# Altium PCB RevA2.PcbDoc (part 4 of 6)
Units mm, origin at the board's own origin, x right, y up, seen from the top; angles counter-clockwise.
Board outline 173 x 171 mm, 2 copper layers (Top Layer, Top, Bottom Layer, Bottom); 316 components, 437 nets, 1976 pads, 936 vias.
Unrouted connection lines stored in the file: 219.
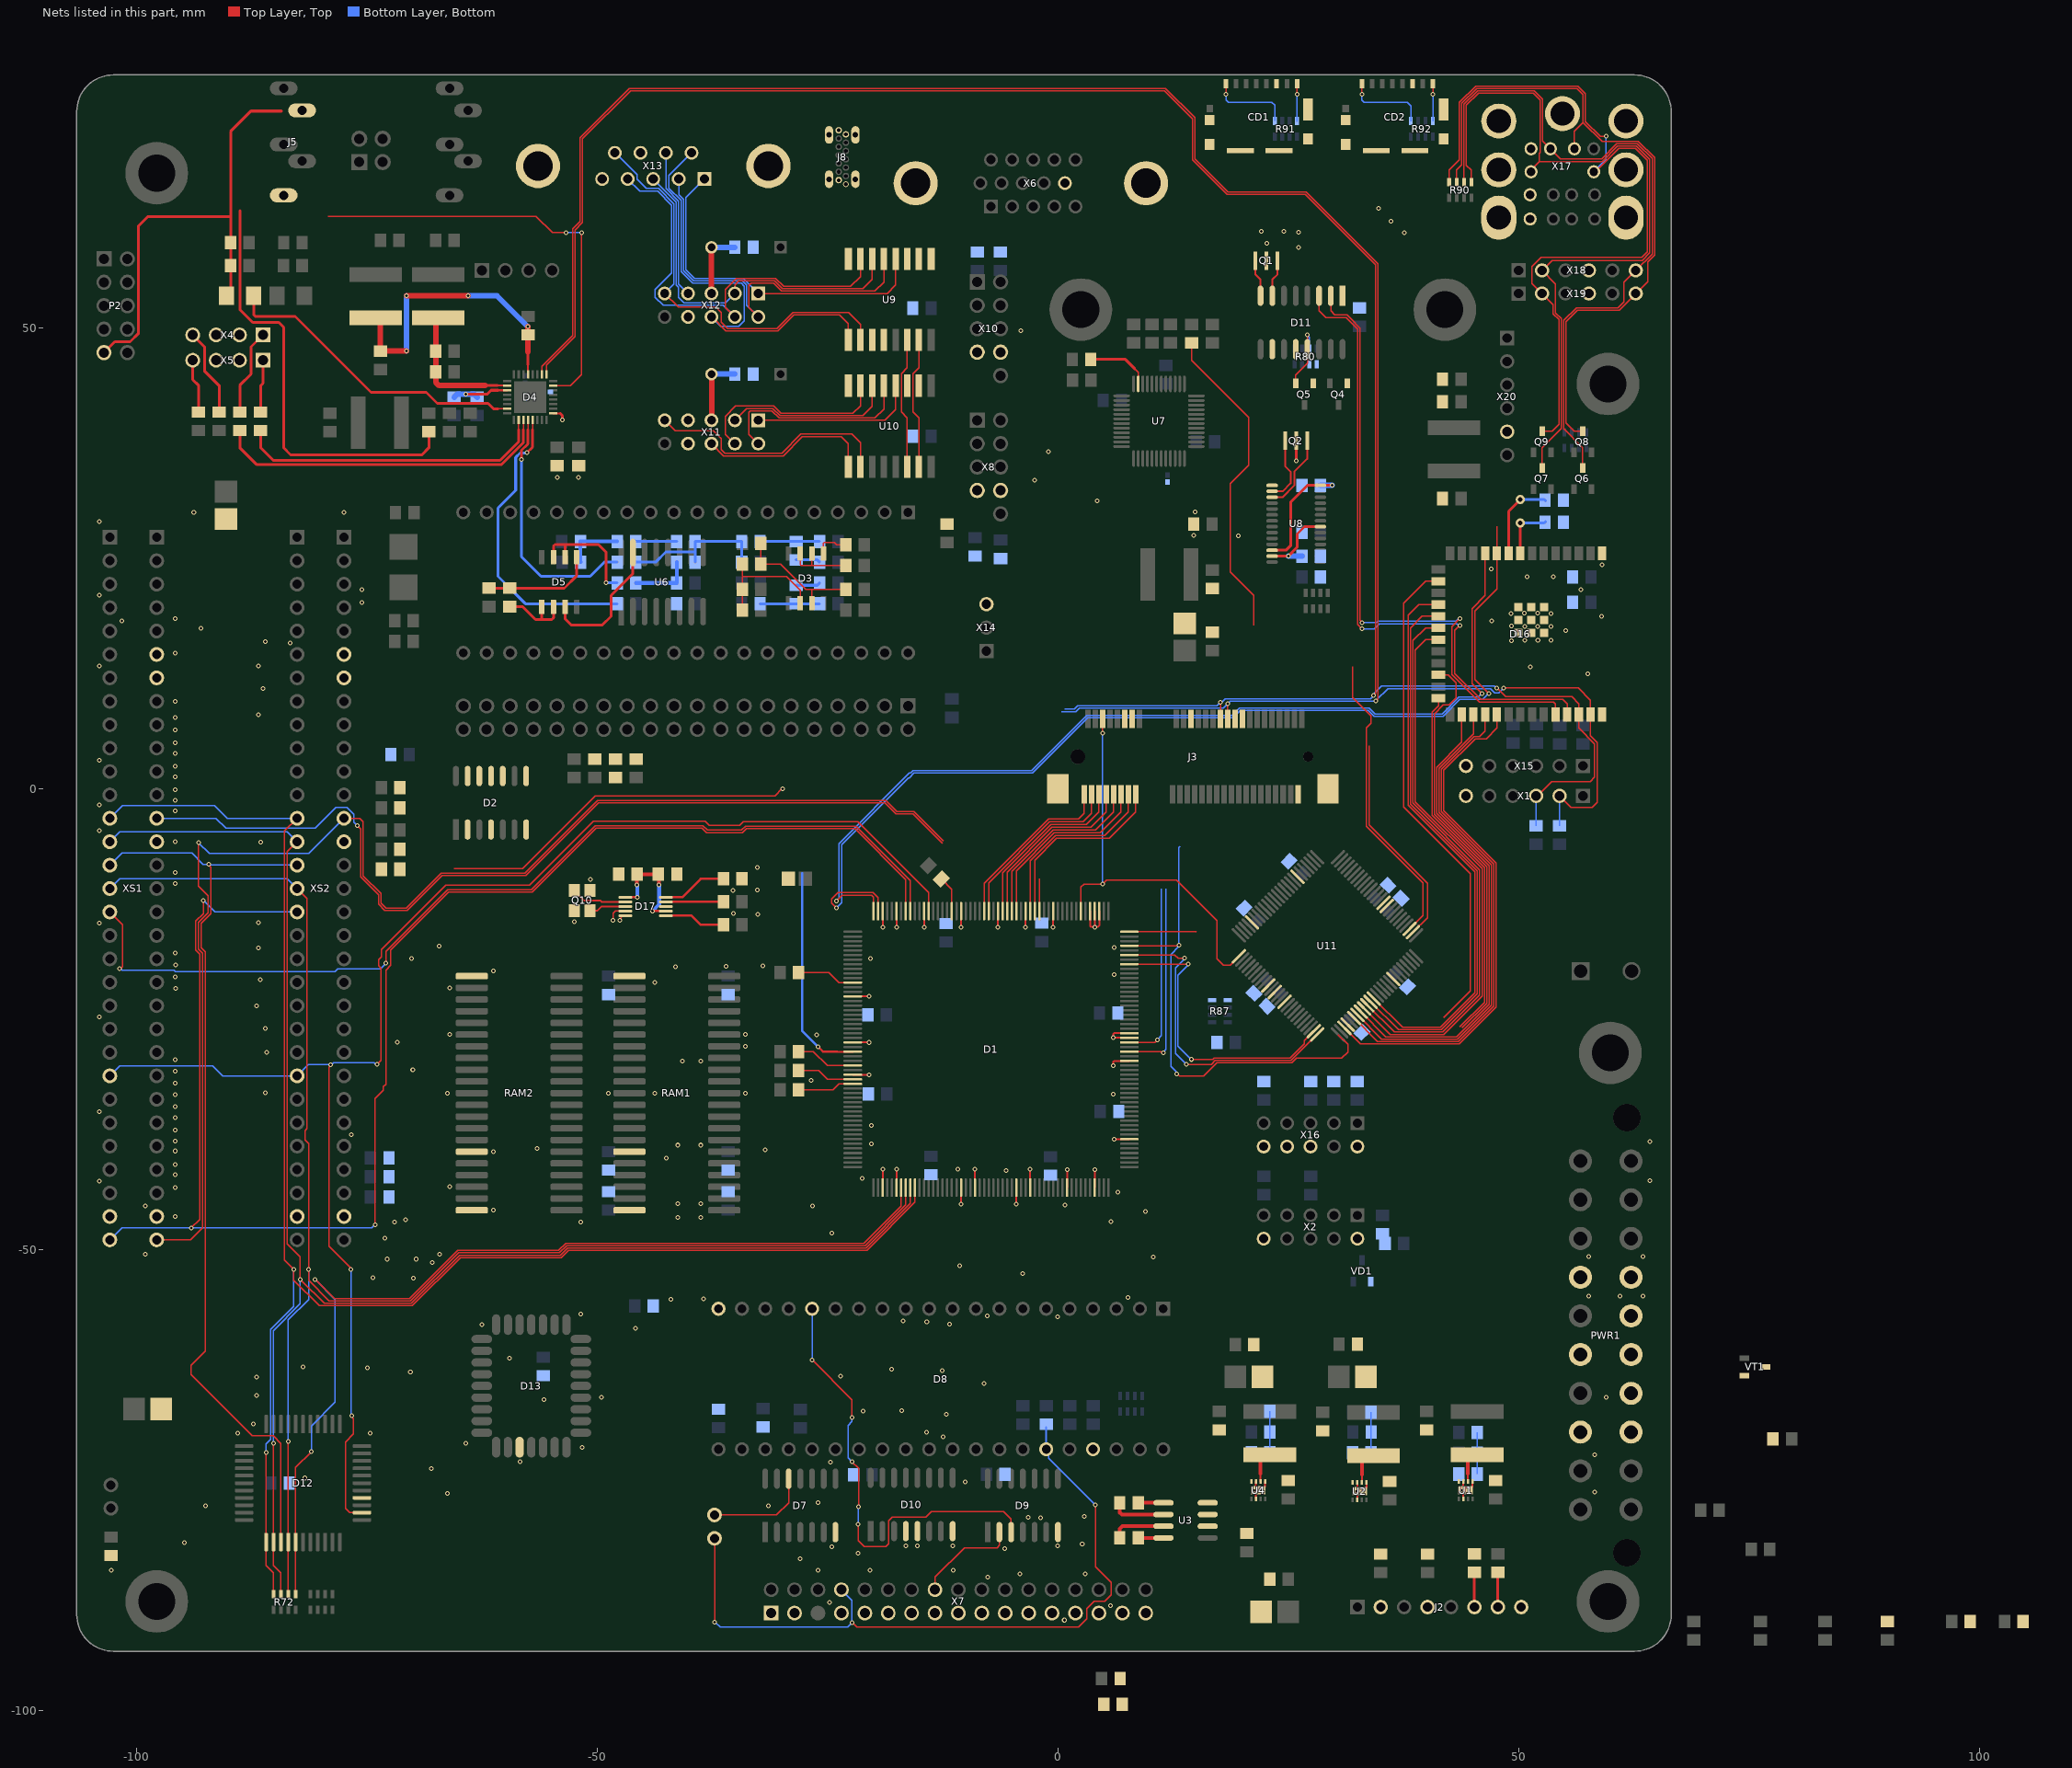
[diagram p4: the nets of this part, all layers, seen from the top]

## Via types
v1: diameter 0.5, hole 0.3, Top Layer, Top to Bottom Layer, Bottom, tented both sides, 925 vias
v2: diameter 0.5, hole 0.2, Top Layer, Top to Bottom Layer, Bottom, 6 vias
v3: diameter 1, hole 0.5, Top Layer, Top to Bottom Layer, Bottom, tented both sides, 4 vias
v4: diameter 1, hole 0.5, Top Layer, Top to Bottom Layer, Bottom, 1 vias

## Nets (pads, with @x,y where several pads share a name; then routed paths per layer and width w, separated by ;. In a path a pad name is that pad's centre, name@x,y a point inside that pad or via, vN(x,y) a via of type N, cw(c..) or ccw(c..) an arc to the next point about the centre after c; other vN are vias at no path point) (continued)
DATA0_1: D1.156 D16.11 | length 105.5
  Top Layer, Top w0.127: v1(-24.028,-12.162) -23.416,-11.55 -20.182,-11.55 -20,-11.732 D1.156@-20,-13.25 ; v1(46.005,10.359) 44.933,11.431 44.933,19.556 46.372,20.995 D16.11@46.372,25.575
  Bottom Layer, Bottom w0.127: v1(-24.028,-12.162) -24.028,-12.126 -23.751,-11.849 -23.751,-5.925 -16.11,1.716 -15.98,1.716 -15.726,1.97 -2.856,1.97 3.136,7.963 18.896,7.963 19.698,8.765 33.802,8.765 34.43,8.137 41.695,8.137 43.512,9.954 45.6,9.954 v1(46.005,10.359)
DCD_TTL: D11.12
DCLK_1: D1.155 D16.10 R87.4 | length 112.6
  Top Layer, Top w0.127: v1(-24.035,-12.912) -24.035,-12.897 -24.553,-12.38 -24.553,-11.945 -23.858,-11.25 -20.058,-11.25 -19.5,-11.808 D1.155@-19.5,-13.25 ; v1(46.755,10.359) 46.747,10.359 45.233,11.874 45.233,19.285 47.642,21.694 47.642,28.503
  Bottom Layer, Bottom w0.127: v1(-24.035,-12.912) -23.451,-12.328 -23.451,-6.049 -16.193,1.208 -16.128,1.208 -15.62,1.716 -2.751,1.716 3.242,7.709 19.001,7.709 19.804,8.511 33.697,8.511 34.325,7.883 41.8,7.883 43.617,9.7 46.096,9.7 v1(46.755,10.359)
DIR_6: D8.16 D9.3 | length 49.1
  Top Layer, Top w0.127: v1(-26.665,-61.945) -22.343,-66.267 v1(-22.343,-68.181) ; v1(-22.331,-72.984) -21.619,-73.696 v1(-21.619,-77.885) ; v1(-21.66,-79.78) -21.66,-81.526 -21.02,-82.166 -18.652,-82.166 -18.37,-81.884 -18.37,-79.406 -17.947,-78.983 -14.337,-78.983 -13.734,-78.38 -5.87,-78.38 -5.07,-79.18 D9.3@-5.07,-80.52
  Bottom Layer, Bottom w0.127: v1(-26.665,-61.945) -26.663,-61.943 -26.663,-56.393 D8.16@-26.66,-56.39 ; v1(-22.343,-68.181) -22.343,-68.623 -22.76,-69.04 -22.76,-72.554 v1(-22.331,-72.984) ; v1(-21.66,-79.78) -21.64,-79.76 -21.64,-77.906 v1(-21.619,-77.885)
DSR_TTL: D11.10
DTR: D11.13 Q5.2 R80.3 | length 7.4
  Top Layer, Top w0.127: Q5.2@25.81,43.975 25.81,44.903 27.08,46.173 D11.13@27.08,47.7 v1(27.08,49.25)
  Bottom Layer, Bottom w0.127: v1(27.08,49.25) 27.08,49.209 27.3,48.989 R80.3@27.3,47.75
E\X\T\_\I\N\T\_1: D1.104 J3.34 R99.2 | length 7.3
  Top Layer, Top w0.127: D1.104@7.75,-15.5 14.97,-15.5 15,-15.53
E\X\T\_\V\I\D\E\O\_1: D1.101 J3.22 R98.2 U11.62 | length 52.9
  Top Layer, Top w0.127: D1.101@7.75,-17 13.099,-17 v1(13.138,-16.961) ; v1(12.894,-30.937) 12.989,-30.937 13.206,-31.154 15.807,-31.154 17.257,-29.704 25.419,-29.704 25.904,-29.218 30.805,-29.218 31.468,-28.555 31.468,-27.705 30.394,-26.632
  Bottom Layer, Bottom w0.127: v1(12.894,-30.937) 12.808,-30.851 12.808,-30.641 12.253,-30.086 12.253,-17.968 13.138,-17.083 13.138,-6.362 13.25,-6.25
ESP32_MASTER.MISO_1: D16.28 R85.2 U11.83 | length 51.4
  Top Layer, Top w0.127: U11.83@32.869,-24.157 35.598,-26.885 43.261,-26.885 46.794,-23.352 46.794,-8.345 41.106,-2.658 41.106,2.352 43.832,5.078 D16.28@43.832,8.075
ESP32_MASTER.MOSI_1: D16.30 R88.2 U11.81 | length 54.1
  Top Layer, Top w0.127: U11.81@32.162,-24.864 34.691,-27.393 43.471,-27.393 47.302,-23.562 47.302,-8.135 41.614,-2.447 41.614,2.142 45.175,5.703 45.776,5.703 46.372,6.299 D16.30@46.372,8.075
ESP32_MASTER.S\S\E\L\_1: D16.31 R86.2 U11.78 | length 56
  Top Layer, Top w0.127: U11.78@31.102,-25.925 32.824,-27.647 43.577,-27.647 47.556,-23.667 47.556,-8.03 41.868,-2.342 41.868,2.036 45.281,5.449 46.486,5.449 47.642,6.605 D16.31@47.642,8.075
ESP32_MASTER.SCLK_1: D16.29 R84.2 U11.82 | length 52.6
  Top Layer, Top w0.127: U11.82@32.516,-24.51 35.145,-27.139 43.366,-27.139 47.048,-23.457 47.048,-8.24 41.36,-2.552 41.36,2.247 45.102,5.988 D16.29@45.102,8.075
ESP32_RXD: D11.2 D16.36 | length 68.6
  Top Layer, Top w0.127: D11.2@29.62,53.5 29.62,51.88 30.063,51.437 31.396,51.437 32.278,50.555 32.278,50.49 32.786,49.982 32.786,18.29 32.996,18.08 v1(32.996,18.029) ; v1(43.618,18.481) 42.766,17.629 42.766,12.413 45.779,9.4 53.804,9.4 53.992,9.212 D16.36@53.992,8.075
  Bottom Layer, Bottom w0.127: v1(32.996,18.029) 34.562,18.029 34.744,18.21 43.225,18.21 43.497,18.481 v1(43.618,18.481)
ESP32_SLAVE.MISO_1: D16.19 U11.86 | length 60.7
  Top Layer, Top w0.127: U11.86@33.93,-23.096 36.957,-26.123 41.633,-26.123 45.524,-22.232 45.524,-8.871 38.285,-1.632 38.285,17.477 39.538,18.73 D16.19@41.312,18.73
ESP32_SLAVE.MOSI_1: D16.21 U11.84 | length 59.2
  Top Layer, Top w0.127: U11.84@33.223,-23.803 36.051,-26.631 41.843,-26.631 46.032,-22.442 46.032,-8.661 38.793,-1.422 38.793,15.083 39.9,16.19 D16.21@41.312,16.19
ESP32_SLAVE.S\S\E\L\_1: D16.18 U11.87 | length 61.6
  Top Layer, Top w0.127: U11.87@34.284,-22.743 37.41,-25.869 41.528,-25.869 45.27,-22.127 45.27,-8.977 38.031,-1.737 38.031,18.867 39.164,20 D16.18@41.312,20
ESP32_SLAVE.SCLK_1: D16.20 U11.85 | length 59.9
  Top Layer, Top w0.127: U11.85@33.576,-23.45 36.504,-26.377 41.738,-26.377 45.778,-22.337 45.778,-8.766 38.539,-1.527 38.539,16.099 39.9,17.46 D16.20@41.312,17.46
ESP32_TXD: D11.3 D16.37 | length 70.4
  Top Layer, Top w0.127: D11.3@28.35,53.5 28.35,51.88 29.093,51.137 31.271,51.137 32.532,49.877 32.532,18.221 32.532,17.837 32.99,17.379 v1(32.996,17.379) ; v1(43.611,17.731) 43.066,17.186 43.066,12.537 45.903,9.7 54.792,9.7 55.262,9.23 D16.37@55.262,8.075
  Bottom Layer, Bottom w0.127: v1(32.996,17.379) 34.337,17.379 34.868,17.91 43.31,17.91 43.489,17.731 v1(43.611,17.731)
ESP_IO45_12: D16.26 X16.6 | length 39.4
  Top Layer, Top w0.127: D16.26@41.312,9.84 41.312,9.017 40.598,8.304 40.598,-2.868 46.286,-8.556 46.286,-23.141 43.609,-25.819
ESP_IO46_12: D16.16 X16.8 | length 53.9
  Top Layer, Top w0.127: D16.16@41.312,22.54 39.9,22.54 37.523,20.163 37.523,-1.948 44.762,-9.187 44.762,-21.916 41.881,-24.797
ESP_LED_1: J2.6 R74.1 | length 3.8
  Top Layer, Top w0.3: J2.6@45.2,-88.75 R74.1@45.2,-85
FPGA_CLK_1: D1.183 R93.2 | length 23.5
  Top Layer, Top w0.2: -23.939,-28.5 D1.183@-22.25,-28.5
  Top Layer, Top w0.25: v1(-26.018,-27.962) -25.48,-28.5 -23.939,-28.5
  Bottom Layer, Bottom w0.25: -27.75,-9.121 -27.75,-26.23 v1(-26.018,-27.962)
FPGA_SEL0: D1.97 U11.74 | length 32.6
  Top Layer, Top w0.127: D1.97@7.75,-19 14.101,-19 v1(14.126,-18.975) ; v1(14.485,-29.346) 16.832,-29.346 16.982,-29.196 25.208,-29.196 26.753,-27.651 26.753,-27.303 U11.74@27.778,-26.278
  Bottom Layer, Bottom w0.127: v1(14.126,-18.975) 14.126,-19.097 13.015,-20.208 13.015,-27.876 v1(14.485,-29.346)
FPGA_SEL1: D1.99 U11.75 | length 34.1
  Top Layer, Top w0.127: D1.99@7.75,-18 12.692,-18 13.08,-18.387 13.679,-18.387 v1(13.724,-18.342) ; v1(13.954,-29.876) 16.661,-29.876 17.087,-29.45 25.313,-29.45 27.15,-27.613 U11.75@28.132,-26.632
  Bottom Layer, Bottom w0.127: v1(13.724,-18.342) 13.724,-18.464 12.761,-19.427 12.761,-28.683 v1(13.954,-29.876)
  other v1: -38.75,-46.5
GND: C1.2 C2.2 C3.2 C4.2 C5.2 C6.2 C7.2 C8.2 C9.2 C10.2 C11.2 C12.2 C13.2 C14.2 C16.2 C17.2 C19.2 C20.2 C23.2 C24.2 C26.2 C27.2 C28.2 C29.2 C30.1 C31.2 C33.2 C48.2 C57.2 C69.1 C70.1 C71.2 C72.2 C73.2 C74.2 C75.2 C76.2 C77.2 C78.2 C81.2 C82.2 C83.2 C84.2 C85.2 C86.2 C87.2 C88.2 C89.2 C90.2 C91.2 C92.2 C93.2 C94.2 C95.2 C96.2 C97.2 C98.1 C99.2 C100.2 C101.1 C102.2 C103.2 C104.2 C105.2 C106.1 C107.1 C108.2 C109.2 C110.2 C111.2 C112.2 C113.2 C114.2 C115.2 C116.2 C117.2 C118.2 C119.2 C120.2 CD1.6 CD1.10 CD1.11 CD1.12 CD1.13 CD1.14 CD1.15 CD2.6 CD2.10 CD2.11 CD2.12 CD2.13 CD2.14 CD2.15 D1.3 D1.6 D1.20 D1.23 D1.32 D1.35 D1.43 D1.49 D1.59 D1.76 D1.81 D1.82 D1.107 D1.108 D1.109 D1.117 D1.123 D1.129 D1.137 D1.145 D1.151 D1.154 D1.171 D1.181 D1.188 D2.7 D4.9 D7.7 D8.20 D8.37 D9.7 D10.4 D10.5 D10.8 D11.1 D12.26 D13.16 D16.1 D16.40 D16.EPAD D17.8 J2.2 J2.4 J2.8 J3.36 J3.51 J3.53 J3.54 J8.A1 J8.A12 J8.B1 J8.B12 J8.SH1 J8.SH2 J8.SH3 J8.SH4 NT1.1 NT3.1 PWR1.3 PWR1.5 PWR1.7 PWR1.13 PWR1.15 PWR1.16 PWR1.17 Q1.2 Q2.2 Q10.2 Q10.4 R1.2 R3.2 R5.2 R6.2 R18.1 R23.1 R66.1 R68.2 R69.1 R70.1 R76.1 R87.5 RAM1.22 RAM1.37 RAM1.42 RAM2.22 RAM2.37 RAM2.42 U1.1 U1.3 U1.6 U1.9 U2.1 U2.3 U2.6 U2.9 U3.7 U3.8 U4.1 U4.3 U4.6 U4.9 U8.1 U9.1 U9.2 U9.3 U9.8 U10.2 U10.3 U10.8 U11.10 U11.11 U11.32 U11.46 U11.60 U11.65 U11.79 U11.93 VT1.2 X1.6 X2.2 X2.10 X4.2 X4.3 X5.2 X5.3 X6.10 X6.M1 X6.M2 X7.1 X7.3 X7.7 X7.9 X7.11 X7.13 X7.15 X7.17 X7.19 X7.21 X7.23 X7.25 X7.27 X7.29 X7.31 X7.33 X8.7 X8.8 X10.7 X10.8 X11.8 X12.8 X13.8 X13.M1 X13.M2 X14.3 X15.6 X16.2 X16.10 X17.3 X17.10 X17.14 X17.Shell X18.4 X19.4 X20.5 XS1.A6 XS1.A7 XS1.A14 XS1.A30 XS1.B30 XS2.A6 XS2.A7 XS2.A14 XS2.A30 XS2.B30 | length 59.5
  Top Layer, Top w0.2: D4.9@-54.775,40.75 -54,40.75 ; D1.188@-22.25,-31 v1(-20.5,-31) ; D1.181@-22.25,-27.5 v1(-20.5,-27.5) ; D1.171@-22.25,-22.5 v1(-20.5,-22.5) ; D1.3@-19,-43.25 v1@-19,-41.25 ; v1(-19,-15) D1.154@-19,-13.25 ; D1.6@-17.5,-43.25 v1(-17.5,-41.25) ; v1(-17.5,-15) D1.151@-17.5,-13.25 ; v1(-14.5,-15) D1.145@-14.5,-13.25 ; v1(-10.5,-45.015) D1.20@-10.5,-43.25 ; v1(-10.5,-15) D1.137@-10.5,-13.25 ; D1.23@-9,-43.25 v1(-9,-41.25) ; v1(-6.5,-15) D1.129@-6.5,-13.25 ; v1(-4.5,-45.015) D1.32@-4.5,-43.25 ; v1(-3.5,-15) D1.123@-3.5,-13.25 ; D1.35@-3,-43.25 v1(-3,-41.25) ; v1(-0.5,-15) D1.117@-0.5,-13.25 ; D1.43@1,-43.25 v1(1,-41.301) ; D1.109@3.5,-13.25 3.5,-14.878 3.59,-14.968 3.968,-14.968 v1(4,-15) ; D1.49@4,-43.25 v1(4,-41.301) ; D1.108@4,-13.25 v1(4,-15) ; D1.107@4.5,-13.25 4.5,-14.815 4.379,-14.936 4.064,-14.936 v1(4,-15) ; v1(6,-30) 6.031,-29.969 6.031,-29.588 6.118,-29.5 D1.76@7.75,-29.5 ; v1(6.1,-38) D1.59@7.75,-38 ; D1.81@7.7,-27 v1(6,-27) 6.031,-26.969 6.031,-26.588 6.118,-26.5 D1.82@7.75,-26.5 ; v2(21.35,-76.075) 21.5,-76.225 U4.6@21.5,-77.025 ; U4.9@21.5,-75.675 U4.3@21.5,-75.125 ; U4.9@21.75,-76.075 v2(22.15,-76.075) 22.15,-76.025 22.5,-75.675 U4.1@22.5,-75.125 ; U2.6@32.5,-77.125 32.5,-76.325 v2(32.35,-76.175) 32.5,-76.025 U2.3@32.5,-75.225 ; v2(33.15,-76.175) 33.15,-76.125 33.5,-75.775 U2.1@33.5,-75.225 ; U1.6@44,-77.025 U1.9@44,-76.225 ; U1.9@44,-75.675 U1.3@44,-75.125 ; U1.9@44.25,-76.075 v2(44.65,-76.075) 44.65,-76.025 45,-75.675 U1.1@45,-75.125
  Top Layer, Top w0.3: -54,40.75 -53.75,40.5 v1(-53.75,40.025) ; v1(25.863,35.613) Q2.2@25.863,37.774
  other v1: 0.7,-90.168 5.738,-88.585 -24.75,-88.25 -7.61,-85.5 -4.105,-85.162 2.973,-85.162 -102.727,-84.75 -26.025,-84.75 -20.379,-84.75 -11.35,-84.75 -27.969,-83.484 -21.66,-82.886 -5.775,-82.425 -24.5,-82.2 -15.248,-82.123 -16.5,-82.1 -11.4,-82.1 0,-82.1 2.646,-81.898 -94.75,-81.75 -1.87,-79.047 -3.208,-79.028 2.885,-78.892 -92.5,-77.75 -31.429,-77.75 -26,-77.414 -66.25,-76.411 58.25,-76.25 -10.076,-75.169 -81.7,-74.75 -68,-73.75 -24.653,-73.01 -58.361,-72.981 58.25,-72.25 -51.595,-71.41 -64.25,-71 -12.449,-70.305 -89,-69.9 -74.6,-69.87 -14.232,-69.796 -87.3,-68.9 -12.096,-67.836 -21.108,-67.503 -16.916,-67.464 -55.75,-66.25 -49.5,-66 59.5,-66 -86.95,-65.8 -8,-64.5 -86.95,-63.78 -23.577,-63.683 -70.25,-63.25 -12.527,-63.076 -18.013,-62.958 -74.915,-62.813 -81.883,-62.677 -59.5,-61.759 -45.824,-58.488 -62.515,-58.11 -11.745,-58.058 -14.218,-57.833 -16.812,-57.729 0,-57.25 -7.668,-57.152 -51.755,-56.985 -42,-55.353 -38.452,-55.298 7.588,-55.169 57.59,-55 61,-55 63.5,-55 -69.931,-53.061 -74.312,-53 -3.8,-52.567 -10.658,-51.73 -67.9,-51.363 -72.75,-51 -69.625,-51 10.362,-50.798 57.59,-50.75 63.5,-50.75 -99,-50.5 -67.075,-50.463 -73,-48.75 -24.5,-48.172 -71.973,-46.983 -51.75,-47 5.767,-46.952 -70.75,-46.75 -41.25,-46.5 -95.75,-46.37 9.5,-45.834 -61.25,-45.7 -99,-45.25 -26.639,-45.25 0.753,-45.152 -41.25,-45 -38.75,-45 6.5,-43.75 -95.762,-43.22 -66,-43.16 -104,-42.553 64.25,-42.5 -21.25,-42.25 -95.757,-41.855 -5.625,-41.4 -19,-41.25 -10.875,-41.25 -95.757,-40.724 -42.486,-40.064 -61.25,-39.35 -95.78,-39.275 -31.75,-39.175 -56.5,-39 -41.218,-38.627 -38.75,-38.627 -20.25,-38.5 64.25,-38.25 -95.757,-38.2 -76.66,-37.5 -95.757,-37.01 -20.25,-36.5 -95.761,-35.68 -104,-35 -95.757,-34.47 -95.756,-33.145 6,-33.106 -66.25,-33 -48.75,-33 -43.75,-33 -33.912,-33 -85.995,-32.965 -95.757,-31.93 -26.75,-31.625 -95.756,-30.605 -70,-30.46 -40.75,-29.5 -38.75,-29.5 -95.757,-29.39 -85.853,-28.557 -33.9,-27.9 -71.693,-27.464 -26.17,-26.683 -66,-26.65 -33.9,-26.65 -86.016,-25.998 -104,-24.75 -86.95,-23.51 -95.745,-21.641 -65.995,-21.57 -43.75,-21 -86.544,-20.675 -95.777,-20.375 6.128,-20.125 -61.25,-19.75 -41.481,-19.283 -36,-19.25 -32,-19.178 -95.745,-19.075 -70.113,-18.397 -20.35,-18.375 -95.75,-17.817 -86.75,-17.25 6.128,-17.176 -67.113,-17.062 -104,-14.547 -86.75,-14.5 -52.444,-14.41 -32.536,-13.581 -35.215,-13.529 -35.273,-10.989 -32.602,-10.954 -95.752,-10.285 -50.735,-9.798 -95.75,-9.07 -32.602,-8.5 -95.75,-5.73 -86.5,-5.75 -104,-4.5 -95.75,-2.39 -104,-1.75 -95.75,-1.215 -95.762,-0.084 -95.75,1.325 -95.75,2.456 -104,3.103 -95.75,3.865 -95.75,4.996 -95.75,6.405 -95.75,7.77 -86.75,8.073 -95.75,9.51 -86.25,10.885 57.5,12.5 51.25,13.25 -104,13.342 -86.754,13.339 -95.75,14.75 -83.293,15.836 -86,16 49.219,16.059 50.646,16.121 53.527,16.13 52.091,16.147 55.129,17.159 -93,17.432 53.508,17.634 49.209,17.657 50.651,17.649 52.063,17.649 47.054,18.21 -101.568,18.25 -95.75,18.5 59,18.75 53.515,19.019 49.193,19.051 50.631,19.073 52.063,19.073 -75.528,20.2 -104,21 56.75,21.61 -75.528,21.645 50.904,23 53.75,23 47.038,23.866 59.072,24.309 19.604,27.482 14.735,27.5 -104,29 -93.75,30 -77.46,30 14.881,30.055 4.25,31.25 -2.5,33.5 -54.325,33.8 -52,33.8 -1,36.601 -4.011,49.72 26.131,58.75 22.682,59.176 37.608,60.321 26.131,60.38 22.092,60.478 24.543,60.485 36.14,61.601 34.789,63
  other v2: 43.85,-76.075
GPAD1_BTN_B_11: U9.9 X12.6 X13.6 | length 48.3
  Top Layer, Top w0.127: X12.6@-37.58,51.21 -37.51,51.21 -36,49.7 -30.376,49.7 -28.626,51.45 -23.7,51.45 -22.74,50.49 U9.9@-22.74,48.7
  Bottom Layer, Bottom w0.127: X13.6@-39.75,69 -42.198,66.552 -42.198,65.172 -40.885,63.858 -40.885,56.135 -39.617,54.867 -34.335,54.867 -34.015,54.547 -34.015,50.785 -34.615,50.185 -36.555,50.185 X12.6@-37.58,51.21
GPAD1_BTN_C_11: U9.10 X12.9 X13.9 | length 45.5
  Top Layer, Top w0.127: X12.9@-42.66,53.75 -41.178,52.268 -37.136,52.268 -36.532,51.664 -36.532,50.657 -35.83,49.954 -30.481,49.954 -28.731,51.704 -22.714,51.704 -21.42,50.41 U9.10@-21.42,48.7
  Bottom Layer, Bottom w0.127: X13.9@-48.06,69 -47.991,69 -46.606,67.615 -45.65,66.659 -45.65,66.15 -44.635,65.135 -43.304,65.135 -41.647,63.478 -41.647,54.763 X12.9@-42.66,53.75
GPAD1_DN_11: U9.5 X12.2 X13.2 | length 43.5
  Top Layer, Top w0.127: X12.2@-32.5,51.21 -33.525,52.235 -33.525,54.614 -33.272,54.867 -30.832,54.867 -29.969,54.004 -19.846,54.004 -18.88,54.97 U9.5@-18.88,57.5
  Bottom Layer, Bottom w0.127: X13.2@-41.135,66.16 -41.135,64.468 -40.631,63.964 -40.631,56.24 -39.512,55.121 -34.23,55.121 -33.761,54.652 -33.761,52.471 X12.2@-32.5,51.21
GPAD1_LEFT_11: U9.6 X12.3 X13.3 | length 39.8
  Top Layer, Top w0.127: X12.3@-35.04,53.75 -35.04,54.692 -34.611,55.121 -30.727,55.121 -29.864,54.258 -21.162,54.258 -20.15,55.27 U9.6@-20.15,57.5
  Bottom Layer, Bottom w0.127: X13.3@-43.905,66.16 -41.393,63.648 -41.393,54.664 -41.139,54.41 -41.139,53.319 -40.545,52.725 -36.065,52.725 X12.3@-35.04,53.75
GPAD1_RIGHT_11: U9.7 X12.4 X13.4 | length 47.5
  Top Layer, Top w0.127: X12.4@-35.04,51.21 -36.065,52.235 -36.065,54.175 -34.865,55.375 -30.622,55.375 -29.759,54.512 -22.478,54.512 -21.42,55.57 U9.7@-21.42,57.5
  Bottom Layer, Bottom w0.127: X13.4@-46.675,66.16 -45.35,64.835 -43.429,64.835 -41.901,63.307 -41.901,55.959 -43.085,54.775 -43.685,54.175 -43.685,53.325 -42.831,52.471 -36.301,52.471 X12.4@-35.04,51.21
GPAD1_UP_11: U9.4 X12.1 X13.1 | length 37.7
  Top Layer, Top w0.127: X12.1@-32.5,53.75 -18.53,53.75 -17.61,54.67 U9.4@-17.61,57.5
  Bottom Layer, Bottom w0.127: X13.1@-38.365,66.16 -40.377,64.148 -40.377,56.345 -39.407,55.375 -34.125,55.375 X12.1@-32.5,53.75
GPAD2_BTN_B_11: U10.9 X11.6 | length 19
  Top Layer, Top w0.127: X11.6@-37.58,37.46 -36.255,36.135 -29.811,36.135 -27.746,38.2 -23.5,38.2 -22.74,37.44 U10.9@-22.74,34.95
GPAD2_BTN_C_11: U10.10 X11.9 | length 27.3
  Top Layer, Top w0.127: X11.9@-42.66,40 -41.526,38.866 -37.376,38.866 -36.5,37.99 -36.5,36.804 -36.131,36.435 -29.935,36.435 -27.87,38.5 -22.34,38.5 -21.42,37.58 U10.10@-21.42,34.95
GPAD2_DN_11: U10.5 X11.2 | length 21.8
  Top Layer, Top w0.127: X11.2@-32.5,37.46 -33.525,38.485 -33.525,40.864 -33.364,41.025 -31.025,41.025 -30.254,40.254 -19.846,40.254 -18.88,41.22 U10.5@-18.88,43.75
GPAD2_LEFT_11: U10.6 X11.3 | length 18.4
  Top Layer, Top w0.127: X11.3@-35.04,40 -33.761,41.279 -30.92,41.279 -30.149,40.508 -21.132,40.508 -20.15,41.49 U10.6@-20.15,43.75
GPAD2_RIGHT_11: U10.7 X11.4 | length 21.3
  Top Layer, Top w0.127: X11.4@-35.04,37.46 -36.065,38.485 -36.065,40.425 -34.957,41.533 -30.815,41.533 -30.044,40.762 -22.228,40.762 -21.42,41.57 U10.7@-21.42,43.75
GPAD2_UP_11: U10.4 X11.1 | length 18
  Top Layer, Top w0.127: X11.1@-32.5,40 -18.75,40 -17.61,41.14 U10.4@-17.61,43.75
GPAD_SELECT_11: U9.12 X11.7 X12.7 X13.7 | length 16.2
  Bottom Layer, Bottom w0.127: X13.7@-42.52,69 -42.52,65.134 -41.139,63.753 -41.139,54.769 X12.7@-40.12,53.75
GPIO_0_1: D1.132 J3.1 | length 19
  Top Layer, Top w0.127: D1.132@-8,-13.25 -8,-10.25 -1,-3.25 2.25,-3.25 2.85,-2.65 J3.1@2.85,-0.6
GPIO_1_1: D1.131 J3.3 | length 19.4
  Top Layer, Top w0.127: D1.131@-7.5,-13.25 -7.5,-10.174 -0.876,-3.55 2.75,-3.55 3.65,-2.65 J3.3@3.65,-0.6
GPIO_2_1: D1.128 J3.5 | length 19.2
  Top Layer, Top w0.127: D1.128@-6,-13.25 -6,-9.098 -0.751,-3.85 3.1,-3.85 4.45,-2.5 J3.5@4.45,-0.6
GPIO_3_1: D1.127 J3.7 | length 19.6
  Top Layer, Top w0.127: D1.127@-5.5,-13.25 -5.5,-9.023 -0.627,-4.15 3.6,-4.15 5.25,-2.5 J3.7@5.25,-0.6